# Allegro board TDI_KU5P_QSFP28_CXP_V001-20240805_1841.brd (continued)
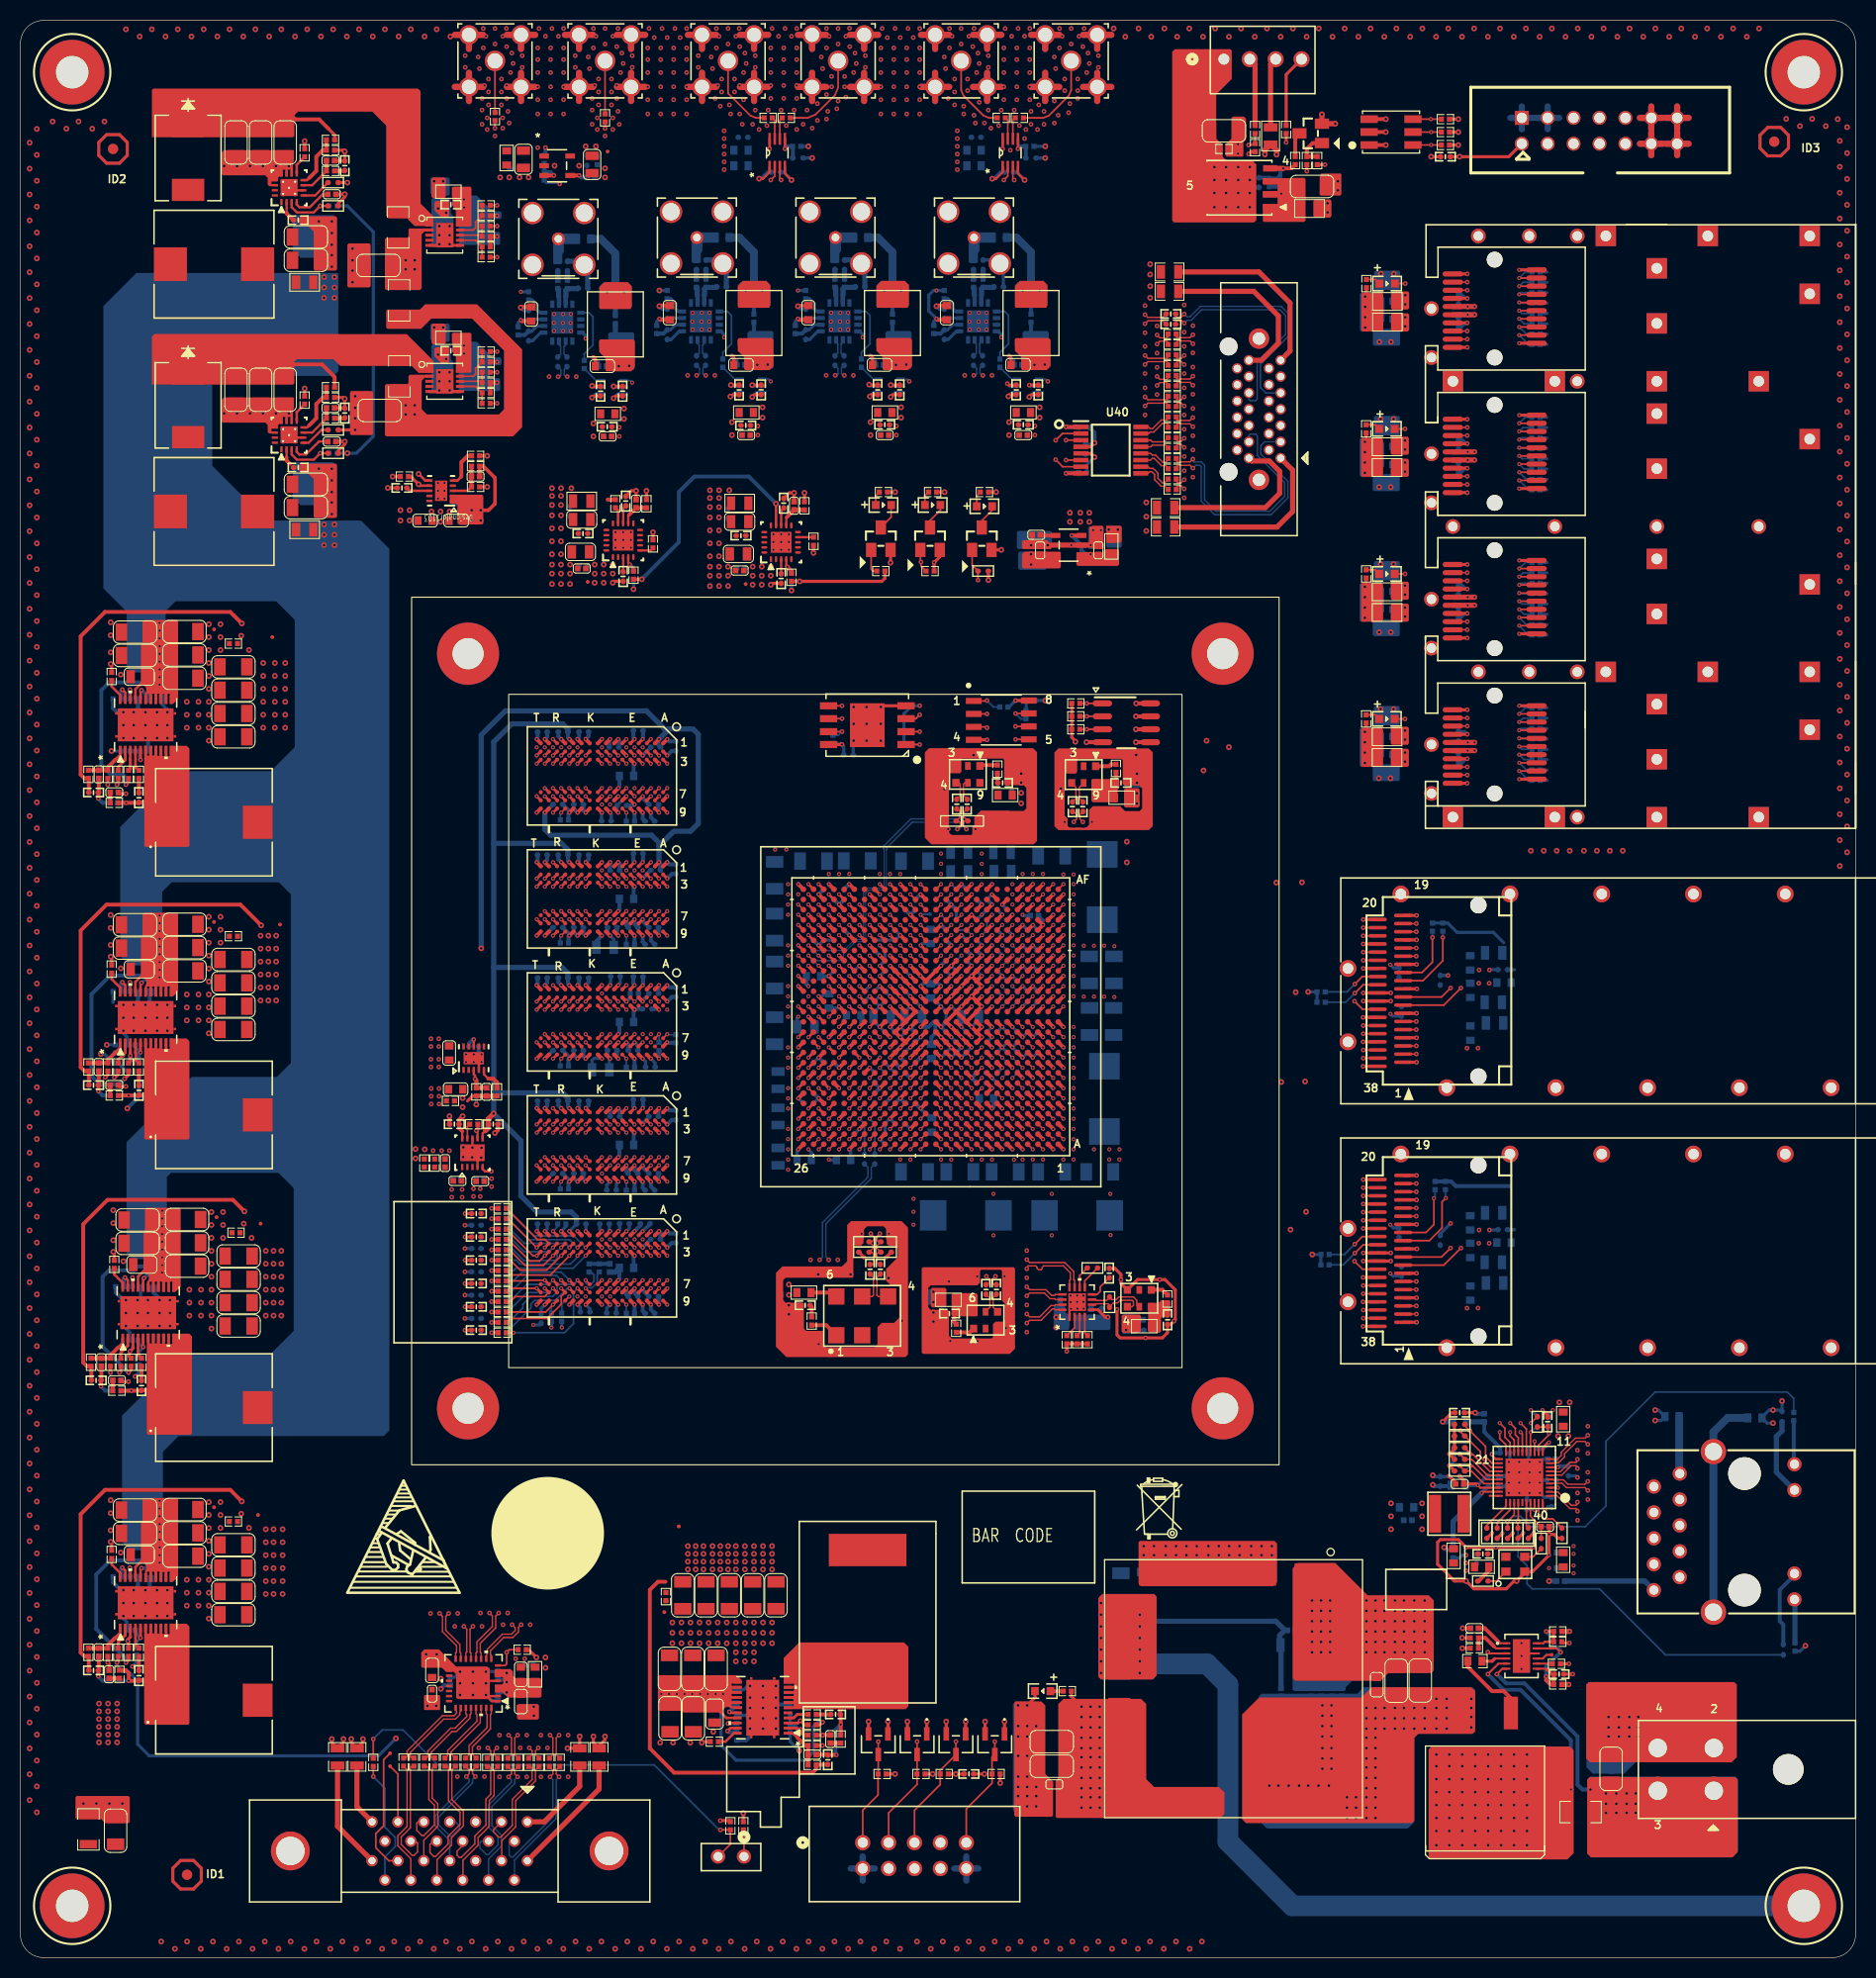
[diagram p0: board, top side]
## Routing (per net, layer and track width the routed paths; a pad name or vN(x,y) marks a point on that pad's centre or on a via; arc(x,y) is an arc through that point) (continued)
GND_EARTH: length 102.6
  BOTTOM w0.508: C460.1 123.64,30.62 R395.1 123.51,30.75 123.51,31.6 124.02,32.11 ; 110.81,32.99 123.13,32.99 124.02,32.11 ; 124.02,32.11 C471.2
  BOTTOM w2.032: MH2.1 124.75,5.08 118.43,11.4 118.43,26.77 116.4,28.8 110.94,28.8
  vias: v3(105.98,34.77) v3(105.98,33.63) v3(105.98,32.49) v3(105.98,31.34) v3(105.98,30.2) v3(105.98,29.06) v3(105.98,27.91) v3(109.79,33.63) v3(109.79,32.49) v3(109.79,31.34) v3(109.79,30.2) v3(109.79,29.06) v3(109.79,27.91)
GND_FPGA_LAN: length 21.6
  BOTTOM w0.762: 166.05,33.88 J12.17 166.05,51.53 167.45,52.93 L34.2
VCC1V5_MGT: length 62.7
  TOP w0.381: v3(21.72,130.85) 20.59,131.98 8.3,131.98 5.91,129.59 5.91,116.03 6.29,115.65 R203.2 6.71,115.61 C354.2
  ART12 w0.381: v3(21.72,130.85) 20.67,131.9 8.4,131.9 7.25,130.76 7.25,120.01 v3(8.93,118.34)
  BOTTOM w0.305: R213.2 v3(8.93,118.34)
  vias: v3(21.66,129.64) v3(22.42,128.24) v3(23.82,126.97) v3(23.82,125.7) v3(23.82,124.43) v3(23.82,123.16) v3(23.82,121.89) v3(23.82,120.62) v3(24.96,126.97) v3(24.96,125.7) v3(24.96,124.43) v3(24.96,123.16) v3(24.96,121.89) v3(24.96,120.62) v3(25.97,126.97) v3(25.97,125.7) v3(25.97,124.43) v3(25.97,123.16) v3(25.97,121.89) v3(25.97,120.62) v3(52.14,144.12) v3(52.14,143.36) v3(52.14,142.47) v3(53.03,144.12) v3(53.03,143.36) v3(53.03,142.47) v3(54.04,144.12) v3(67.63,143.92) v3(67.63,143.15) v3(67.63,142.27) v3(68.52,143.92) v3(68.52,143.15) v3(68.52,142.27) v3(69.54,143.92)
VCC1V8: length 137.2
  TOP w0.254: v3(39.06,145.52) 39.71,144.87 U29.6
  TOP w0.305: C272.1 58.41,153.16 v3(58.19,152.94) ; 90.81,21.95 v3(90.81,23.15) ; 87,21.95 v3(87,23.15) ; C297.1 85.58,153.29 v3(85.36,153.07) ; R19.2 v3(85.79,18.01) ; R35.1 v1(82.74,68.68) ; R175.2 140.66,48.89 v2(140.16,49.39) 140.66,49.89 R177.2 R179.2 R181.2 ; 83.19,21.95 v3(83.19,23.15) ; C271.1 72,153.29 v3(71.77,153.07) ; C8.1 v3(91.76,18.01) R21.2 ; v3(98.95,153.07) 99.17,153.29 C296.1 ; R22.2 v3(96.1,17.12) ; U2.8 v2(80.58,118.98) ; R20.2 v3(89.47,18.01) ; R9.1 v3(94.94,135.1) ; R34.1 v1(84.9,68.68) ; 94.62,21.95 v3(94.62,23.15)
  TOP w0.381: U1.G18 v1(84.29,85.28) ; U1.Y9 v1(94.3,99.28) ; C402.2 6.71,29.51 R240.2 6.29,29.55 5.91,29.93 5.91,43.48 8.3,45.87 20.59,45.87 v3(21.72,44.74) ; U1.D17 v1(85.29,82.28) ; U1.AA11 v1(92.3,100.28) ; U1.C20 v1(82.29,81.27) ; U1.AD12 v1(91.3,103.28)
  ART05 w0.508: v1(75.29,78.28) 75.84,78.28 77.08,77.04 77.08,73.2 81.6,68.68 v1(82.74,68.68) v1(84.9,68.68)
  ART12 w0.381: v3(21.72,44.74) 20.46,46 8.22,46 7.79,45.57 7.79,34.75 11.15,31.38 11.15,28.71 v2(10.99,28.55)
  BOTTOM w0.305: C1.1 83.8,85.77 v1(84.29,85.28) ; U12.6 72.2,153.49 v3(71.77,153.07) ; v1(79.29,78.28) 79.34,78.23 C5.1 ; v2(10.99,28.55) 11.39,28.96 R250.2 ; R14.1 C6.1 ; R42.2 84.81,81.8 v1(85.29,82.28) 85.79,81.78 C24.1 ; v1(94.3,99.28) 93.8,99.78 R4.1 ; R40.2 81.8,80.78 v1(82.29,81.27) ; R221.1 v3(75.63,134.09) ; v3(58.19,152.94) 58.61,153.37 U11.6 ; v3(98.95,153.07) 99.38,153.49 U16.6 ; R2.1 92.79,99.79 v1(92.3,100.28) ; R18.1 80.48,119.08 v2(80.58,118.98) 80.75,118.81 C7.1 ; U15.6 85.79,153.49 v3(85.36,153.07) ; R16.1 R17.1 86.66,122 87.44,122.78 v2(88.2,122.78) ; R12.1 94.8,102.78 v1(94.3,102.28) 93.81,101.79 R3.1 ; C22.1 77.58,78.99 v1(77.29,79.28) ; R214.1 v3(60.14,134.21) ; R166.2 v1(148.15,53.7)
  BOTTOM w0.381: v3(138.53,46.37) 138.66,46.24 C312.1 140.25,46.24 L30.1 ; C23.1 83.8,84.78 v1(84.29,85.28) ; R10.1 90.8,103.78 v1(91.3,103.28) 91.8,102.79 C6.1
  vias: v1(75.29,77.28) v1(94.29,108.27) v1(94.29,107.27) v1(94.29,106.27) v3(21.66,43.54) v3(22.42,42.14) v3(24.07,42.01) v3(24.07,40.74) v3(24.07,39.47) v3(24.07,38.2) v3(24.07,36.93) v3(24.07,35.66) v3(24.83,42.01) v3(24.83,40.74) v3(24.83,39.47) v3(24.83,38.2) v3(24.83,36.93) v3(24.83,35.66) v3(25.72,42.01) v3(25.72,40.74) v3(25.72,39.47) v3(25.72,38.2) v3(25.72,36.93) v3(25.72,35.66) v3(37.28,141.96) v3(37.28,140.94) v3(38.17,141.96) v3(38.17,140.94) v3(102.94,141.71) v3(102.94,140.82) v3(103.95,141.71) v3(103.95,140.82) v3(104.84,141.71) v3(104.84,140.82)
VCC3V3: length 203.8
  TOP w0.229: U41.1 96.34,175.12 95.7,174.47 v3(95.32,174.47) ; U42.1 73.48,175.12 72.84,174.47 v3(72.46,174.47)
  TOP w0.305: v3(50.61,29.44) 49.85,30.2 R367.1 ; U3.8 v2(97.6,123.29) ; v3(131.87,120.22) 131.99,120.35 R142.2 ; v3(103.47,119.25) 103.47,119.33 103.12,119.68 R31.1 R30.1 R29.1 ; U1.Y14 v1(88.29,99.28) ; R27.1 v3(90.64,143.74) ; R220.1 v3(85.79,143.74) ; R143.2 131.99,134.57 v3(131.87,134.44) ; R391.1 120.7,177.12 v2(120.46,176.89) ; R779.1 v3(141.04,177.77) ; U40.4 104.96,148.18 v3(105.35,148.56) ; R780.1 v3(141.04,179.04) ; R781.1 v3(141.04,180.31) ; R184.2 v1(147.39,41.63) ; C19.1 v3(141.16,176.63) 145.99,176.63 J3.1 ; R167.2 v1(144.34,41.63) ; R6.1 v3(95.7,143.74) ; v3(131.87,148.67) 131.99,148.79 R144.2 ; R23.1 v3(70.91,14.17) ; R223.2 v3(76.9,143.66) ; R183.2 v1(145.35,41.63) ; v3(131.89,162.92) 132.02,163.04 R145.2 ; R217.2 v3(61.41,143.87)
  TOP w0.381: U1.E9 v1(94.3,83.28) ; U1.AC15 v1(87.29,102.28) ; v3(21.97,73.19) 20.84,74.32 8.55,74.32 6.16,71.93 6.16,58.37 6.54,57.99 R252.2 6.96,57.96 C417.2 ; U1.E14 v1(88.29,83.28) ; U4.8 v3(109.44,123.01) ; U1.H15 v1(87.29,86.28) ; U1.H10 v1(93.3,86.28)
  ART03 w0.508: v3(175.07,30.58) 160.34,30.58 153.23,37.69 v1(152.34,37.69)
  POWER08 w0.61: J3.1 147.26,179.02 ; J3.1 147.26,176.78 ; J3.1 146.14,177.9 ; J3.1 148.38,177.9 ; 149.8,176.78 J3.3 ; J3.3 148.68,177.9 ; J3.3 150.92,177.9 ; J3.3 149.8,179.02
  ART12 w0.381: v3(21.97,73.19) 20.39,74.78 9.29,74.78 8.14,73.63 8.14,62.97 11.45,59.66 11.45,57.2 v2(11.24,57)
  BOTTOM w0.305: R129.1 149.71,147.02 ; R137.1 149.72,161.26 ; R24.1 96.97,122.66 v2(97.6,123.29) C15.1 98.66,122.33 R25.1 ; R185.1 174.54,30.05 v3(175.07,30.58) ; R116.1 149.72,122.58 ; R136.1 149.72,160.25 ; R120.1 149.72,131.75 ; R126.1 149.71,143.97 ; R114.1 149.72,118.51 ; R135.1 149.72,159.23 ; C9.1 89.21,82.36 v1(88.29,83.28) ; R125.1 149.72,135.81 ; C12.1 88.46,99.45 v1(88.29,99.28) ; R118.1 149.72,129.72 ; v2(11.24,57) 11.65,57.4 R269.2 ; C225.1 146.55,71.39 ; R115.1 149.72,119.53 ; R139.1 149.72,163.3 ; R124.1 149.72,136.83 ; C533.1 73.26,175.11 72.62,174.47 v3(72.46,174.47) ; v3(95.32,174.47) 95.48,174.47 96.12,175.11 C531.1 ; R128.1 149.71,146 ; R132.1 149.71,151.08 ; R134.1 149.72,158.22 ; R138.1 149.72,162.28 ; v3(126.71,68.96) R104.1 R105.1 ; R110.1 149.72,117.5 ; R127.1 149.71,144.98 ; R109.1 R108.1 v3(126.3,94.72) ; 145.48,99.54 144.47,100.56 140.91,100.56 140,101.47 R106.1 R107.1 ; R117.1 149.72,121.56 ; v1(150.31,53.7) 149.93,53.31 R170.2 ; R119.1 149.72,130.73 ; R140.1 149.72,165.33 ; R113.1 149.72,116.48 ; R356.1 v3(100.52,176.5) ; R112.1 149.72,115.47 ; R133.1 149.71,150.06 ; R121.1 149.72,132.76 ; R122.1 149.72,133.78 ; R141.1 149.72,164.31 ; R131.1 149.71,149.05 ; C233.1 146.55,96.89 ; R123.1 149.72,134.8 ; R362.1 v3(77.66,176.5) ; R111.1 149.72,120.55 ; R130.1 149.71,148.03
  BOTTOM w0.381: C17.1 87.8,83.77 v1(88.29,83.28) ; R333.2 105.35,149.58 v3(105.35,148.56) 105.18,148.4 C527.1 ; C16.1 94.06,83.52 v1(94.3,83.28) ; C14.1 87.79,102.78 v1(87.29,102.28) 86.8,102.78 C13.1 ; U1.H15 v1(87.29,86.28) 86.8,86.77 C10.1 ; C20.1 v1(93.3,86.28) 93.8,86.77 C18.1 ; R103.1 R102.1 140.33,76.12 140.78,75.67 146.12,75.67
  vias: v1(152.34,38.46) v2(40.27,90.12) v2(40.27,89.36) v2(41.04,90.12) v2(41.04,89.36) v2(69.03,177.65) v2(69.03,176.89) v2(91.89,177.65) v2(91.89,176.89) v2(141.8,38.71) v2(141.8,37.95) v3(21.91,71.98) v3(22.67,70.59) v3(24.07,69.32) v3(24.07,68.05) v3(24.07,66.78) v3(24.07,65.51) v3(24.07,64.24) v3(24.07,62.97) v3(24.83,69.32) v3(24.83,68.05) v3(24.83,66.78) v3(24.83,65.51) v3(24.83,64.24) v3(24.83,62.97) v3(25.59,69.32) v3(25.59,68.05) v3(25.59,66.78) v3(25.59,65.51) v3(25.59,64.24) v3(25.59,62.97) v3(40.58,174.22) v3(40.58,159.88) v3(41.47,174.22) v3(41.47,159.88) v3(51.5,29.44) v3(51.5,28.42) v3(75.38,66.01) v3(75.38,65) v3(89.55,65.3) v3(89.55,64.29) v3(98.16,114.22) v3(98.16,113.21) v3(101.59,62.81) v3(101.59,61.8) v3(106.75,140.06) v3(107.64,140.06) v3(108.45,62.56) v3(108.45,61.54) v3(109.51,114.2) v3(109.51,113.18) v3(131.89,161.9) v3(131.89,160.88) v3(131.89,159.87) v3(131.87,147.65) v3(131.87,146.63) v3(131.87,145.62) v3(131.87,133.43) v3(131.87,132.41) v3(131.87,131.39) v3(131.87,119.2) v3(131.87,118.19) v3(131.87,117.17) v3(148.15,108.56) v3(149.42,108.56) v3(150.69,108.56) v3(151.96,108.56) v3(153.36,108.56) v3(154.63,108.56) v3(155.9,108.56) v3(157.17,108.56)
VCC5V:
  vias: v2(69.03,176.12) v2(69.03,175.36) v2(91.89,176.12) v2(91.89,175.36) v3(55.44,177.65) v3(56.45,177.65)
VCC12V: length 17.9
  TOP w0.254: U25.19 11.28,95.7 C388.1 ; C403.1 11.28,38.29 U26.19 ; C355.1 11.28,124.4 U22.19 ; U27.19 11.54,66.79 12.72,67.97 C418.1 ; C338.1 68.08,24.67 69.24,23.51 U21.19
  TOP w0.305: R284.1 103.08,25.61 v3(104.08,24.61)
  BOTTOM w0.305: R200.1 75.5,21.18 v3(76.39,20.29)
  vias: v2(13.66,130.91) v2(13.66,130.15) v2(13.66,129.39) v2(13.66,128.63) v2(13.66,127.86) v2(13.66,127.1) v2(13.66,126.34) v2(13.66,125.58) v2(13.65,124.84) v2(13.66,102.21) v2(13.66,101.45) v2(13.66,100.69) v2(13.66,99.92) v2(13.66,99.16) v2(13.66,98.4) v2(13.66,97.64) v2(13.66,96.88) v2(13.65,96.14) v2(13.66,44.81) v2(13.66,44.04) v2(13.66,43.28) v2(13.66,42.52) v2(13.66,41.76) v2(13.66,41) v2(13.66,40.23) v2(13.66,39.47) v2(13.65,38.74) v2(13.91,73.25) v2(13.91,72.49) v2(13.91,71.73) v2(13.91,70.97) v2(13.91,70.21) v2(13.91,69.44) v2(13.91,68.68) v2(13.91,67.92) v2(13.91,67.19) v2(62.85,25.86) v2(63.62,25.86) v2(64.38,25.86) v2(65.14,25.86) v2(65.9,25.86) v2(66.66,25.86) v2(67.43,25.86) v2(68.19,25.86) v2(68.92,25.86) v3(7.71,24.92) v3(7.71,24.16) v3(7.71,23.39) v3(7.71,22.63) v3(7.71,21.87) v3(7.71,21.11) v3(8.6,24.92) v3(8.6,24.16) v3(8.6,23.39) v3(8.6,22.63) v3(8.6,21.87) v3(8.6,21.11) v3(9.49,24.92) v3(9.49,24.16) v3(9.49,23.39) v3(9.49,22.63) v3(9.49,21.87) v3(9.49,21.11) v3(29.78,164.82) v3(29.78,163.8) v3(29.78,162.79) v3(29.78,140.56) v3(29.78,139.55) v3(29.78,138.53) v3(30.8,164.82) v3(30.8,163.8) v3(30.8,162.79) v3(30.8,140.56) v3(30.8,139.55) v3(30.8,138.53) v3(47.06,174.6) v3(47.95,174.6) v3(104.08,23.6) v3(104.08,22.58) v3(104.08,21.56) v3(104.08,20.55) v3(104.08,19.66) v3(104.08,18.64) v3(104.08,17.63) v3(104.08,16.61) v3(104.08,15.72) v3(104.08,14.71) v3(104.97,24.61) v3(104.97,23.6) v3(104.97,22.58) v3(104.97,21.56) v3(104.97,20.55) v3(104.97,19.66) v3(104.97,18.64) v3(104.97,17.63) v3(104.97,16.61) v3(104.97,15.72) v3(104.97,14.71) v3(105.86,24.61) v3(105.86,23.6) v3(105.86,22.58) v3(105.86,21.56) v3(105.86,20.55) v3(105.86,19.66) v3(105.86,18.64) v3(105.86,17.63) v3(105.86,16.61) v3(105.86,15.72) v3(105.86,14.71) v3(128.21,172.06) v3(128.21,171.17)
VCC12V_IN: length 3.5
  TOP w0.203: v2(143.93,29.96) 144.06,29.83 U33.3
  TOP w0.305: R289.2 v3(141.43,30.34) ; R287.2 v2(151.88,28.82)
  vias: v3(122.49,16.87) v3(123.38,16.87) v3(124.4,16.87) v3(125.42,16.87) v3(126.3,16.87) v3(127.32,16.87) v3(127.7,24.74) v3(127.7,23.72) v3(127.7,22.71) v3(127.7,21.69) v3(127.7,20.55) v3(127.7,19.53) v3(127.7,18.52) v3(128.34,16.87) v3(128.59,24.74) v3(128.59,23.72) v3(128.59,22.71) v3(128.59,21.69) v3(128.59,20.55) v3(128.59,19.53) v3(128.59,18.52) v3(130.11,15.72) v3(130.11,14.71) v3(130.11,13.69) v3(131,15.72) v3(131,14.71) v3(131,13.69) v3(132.02,24.49) v3(132.02,23.47) v3(132.02,22.45) v3(132.02,21.56) v3(132.02,20.55) v3(132.02,19.53) v3(132.02,18.64) v3(132.02,17.63) v3(132.02,16.61) v3(132.02,15.72) v3(132.02,14.71) v3(132.02,13.69) v3(132.91,24.49) v3(132.91,23.47) v3(132.91,22.45) v3(132.91,21.56) v3(132.91,20.55) v3(132.91,19.53) v3(132.91,18.64) v3(132.91,17.63) v3(132.91,16.61) v3(132.91,15.72) v3(132.91,14.71) v3(132.91,13.69) v3(133.8,24.49) v3(133.8,23.47) v3(133.8,22.45) v3(134.81,24.49) v3(134.81,23.47) v3(134.81,22.45) v3(135.7,24.49) v3(135.7,23.47) v3(135.7,22.45) v3(136.72,24.49) v3(136.72,23.47) v3(136.72,22.45) v3(137.73,24.49) v3(137.73,23.47) v3(137.73,22.45) v3(138.88,25.37) v3(138.88,24.49) v3(138.88,23.47) v3(138.88,22.45) v3(139.89,25.37) v3(139.89,24.49) v3(139.89,23.47) v3(139.89,22.45) v3(142.31,25.37) v3(142.31,24.49) v3(142.31,23.6) v3(142.31,22.58)
VCC12V_IN_CON: length 19.3
  TOP w0.203: U33.6 145.35,28.33 v2(144.82,27.8)
  TOP w0.508: R290.1 v2(151.96,31.99) ; R288.2 v2(151.88,26.79)
  BOTTOM w0.381: v3(153.99,16.48) 153.2,16.48 152.72,16.97 152.72,21.69 147.51,26.9 145.72,26.9 v2(144.82,27.8)
  vias: v3(155.51,16.1) v3(155.51,15.09) v3(155.51,14.2) v3(156.53,16.1) v3(156.53,15.09) v3(156.53,14.2) v3(157.55,16.1) v3(157.55,15.09) v3(157.55,14.2) v3(158.44,16.1) v3(158.44,15.09) v3(158.44,14.2)
VCC_1V5_EN: length 2.3
  TOP w0.279: U22.2 10.28,117.46 9.59,116.76 R266.1
VCC_1V5_GOOD: length 2.1
  TOP w0.279: U22.3 10.78,117.58
  TOP w0.305: 10.78,117.58 10.78,116.63 R212.2
VCC_1V8_EN: length 2.3
  TOP w0.279: R253.1 9.59,30.94 10.28,31.63 U26.2
VCC_1V8_GOOD: length 67.2
  TOP w0.279: 10.78,31.48 U26.3
  TOP w0.305: 10.78,31.48 10.78,31.44 10.53,31.19 v2(10.53,31.04) 10.61,30.96 R249.2 ; R255.2 9.85,57.51 v2(9.72,57.38)
  ART12 w0.305: v2(10.53,31.04) 6.95,34.62 6.95,45.97 9.72,48.74 v2(9.72,57.38) 9.72,58.27 6.42,61.57 6.42,85.9 8.68,88.16 8.68,89.32 v3(8.47,89.53)
  BOTTOM w0.305: R260.2 v3(8.47,89.53)
VCC_3V3_EN: length 2.3
  TOP w0.279: R255.1 9.85,59.33 10.54,60.03 U27.2
VCC_3V3_GOOD: length 33.1
  TOP w0.279: 11.04,59.92 U27.3
  TOP w0.305: R268.2 10.69,58.97 10.69,59.4 v2(10.75,59.47) 11.04,59.75 11.04,59.92 ; v2(9.21,86.33) 9.29,86.33 9.59,86.64 R261.2
  ART12 w0.381: v2(9.21,86.33) 8.96,86.08 8.96,83.41 7.41,81.86 7.41,62.03 9.97,59.47 v2(10.75,59.47)
  BOTTOM w0.381: v2(9.21,86.33) 9.34,86.46 R265.2
VCCO_GOOD: length 31.9
  TOP w0.305: R266.2 9.59,115.16 v2(9.46,115.04)
  ART12 w0.305: v3(7.89,88.62) 7.74,88.62 7.13,89.23 7.13,110.97 9.46,113.31 v2(9.46,115.04)
  BOTTOM w0.305: R264.1 10.37,86.95 9.57,87.75 R265.1 9.11,87.75 8.24,88.62 v3(7.89,88.62)
VDD10: length 2.5
  TOP w0.305: C322.1 140.4,53.44 v3(139.51,52.55)
  BOTTOM w0.508: L38.1 v3(139.51,52.55)
  vias: v3(137.48,44.55) v3(137.48,43.28) v3(137.48,42.01) v3(150.94,54.46) v3(151.96,54.46)
100M_N: length 3.4
  TOP w0.14: C26.2 83.67,66.7 83.67,64.97 83.54,64.84 U39.5
100M_P: length 3.4
  TOP w0.14: C25.2 84,66.7 84,64.97 84.13,64.84 U39.4
156M25_N: length 5.7
  TOP w0.14: U38.7 105.46,64.54 105.54,64.45 106.53,64.45 106.82,64.74 R330.2 107.08,64.54 107.47,64.54 107.73,64.79 109.18,64.79 109.5,64.47 109.5,64 109.65,63.84 X4.5
156M25_P: length 5.7
  TOP w0.14: 106.82,63.83 106.82,63.98 106.68,64.12 105.49,64.12 105.41,64.04 U38.6 ; 106.82,63.83 107.2,64.21 107.61,64.21 107.86,64.47 109.04,64.47 109.17,64.34 109.17,63.97 109.04,63.84 X4.4 ; 106.82,63.83 R330.1
CHA_1V25_CXP1: length 7.7
  TOP w0.305: C275.2 69.9,153.29 69.72,153.11 v3(69.64,153.11)
  TOP w0.381: C269.2 62.78,160.63 v1(62.67,160.74)
  BOTTOM w0.305: R149.2 v3(62.67,163.51) ; U12.1 70.1,153.49 69.72,153.11 v3(69.64,153.11) ; L19.2 62.42,160.48 v1(62.67,160.74) C274.2 63.5,160.8 U13.15 ; v1(69.02,158.92) 69.02,159.2 68.72,159.5 U13.8
  vias: v3(69.79,150.6) v3(69.79,149.33)
CHA_1V25_CXP2: length 7.7
  TOP w0.305: v3(56.07,153.01) 56.15,153.01 56.31,153.17 C273.2
  TOP w0.381: v1(49.08,160.61) 49.19,160.5 C267.2
  BOTTOM w0.305: L18.2 48.83,160.36 v1(49.08,160.61) C270.2 49.91,160.68 U14.15 ; U11.1 56.43,153.37 v3(56.07,153.01) ; v1(49.08,163.38) 49.08,163.38 R148.2 ; v1(55.43,158.79) 55.43,159.07 55.13,159.38 U14.8
  vias: v3(56.2,150.47) v3(56.2,149.2)
CHA_1V25_CXP3: length 7.5
  TOP w0.305: v3(83.32,153.13) 83.49,153.29 C298.2
  TOP w0.381: C293.2 76.37,160.63 v1(76.26,160.74)
  BOTTOM w0.305: U17.15 77.09,160.8 C299.2 v1(76.26,160.74) 76.01,160.48 L25.2 ; v3(83.32,153.13) 83.69,153.49 U15.1 ; U17.8 82.31,159.5 82.61,159.2 v1(82.61,158.92) ; v1(76.26,163.51) 76.26,163.51 R159.2
  vias: v3(83.38,150.6) v3(83.38,149.33)
CHA_1V25_CXP4: length 11.1
  TOP w0.305: C294.2 97.08,153.29 v3(96.91,153.13)
  TOP w0.381: v1(89.85,160.74) 89.96,160.63 C291.2
  BOTTOM w0.305: U16.1 97.28,153.49 v3(96.91,153.13) ; L24.2 89.59,160.48 v1(89.85,160.74) ; R158.2 89.85,163.51 v1(89.85,163.51) 89.56,163.51 89.09,163.04 89.09,161.49 v1(89.85,160.74) ; v1(89.85,160.74) C295.2 90.68,160.8 U18.15 ; U18.8 95.89,159.5 96.2,159.2 v1(96.2,158.92)
  vias: v3(96.97,150.6) v3(96.97,149.33)
CHA_12V_FAN: length 1.1
  BOTTOM w0.381: C545.1 121.14,173.62 v3(120.59,173.08)
  vias: v3(117.11,175.62) v3(117.11,174.35) v3(117.11,173.08) v3(117.11,171.68) v3(118.25,175.62) v3(118.25,174.35) v3(118.25,173.08) v3(118.25,171.68) v3(119.45,175.62) v3(119.45,174.35) v3(119.45,173.08) v3(119.45,171.68) v3(120.59,175.62) v3(120.59,174.35) v3(120.59,171.68)
CHA_24V_1: length 5.5
  TOP w0.305: 30.24,179.35 30.82,178.77 R295.2
  TOP w0.381: 26.58,180.67 26.96,180.29 29.3,180.29 30.24,179.35
CHA_24V_2: length 5.7
  TOP w0.381: 26.62,156.26 29.58,156.26 30.82,155.02 R310.2
CHA_AGND: length 7.7
  TOP w0.381: U1.P13 v1(90.3,93.28) ; U1.R14 v1(88.29,94.28) ; U1.N13 v1(90.3,91.27)
  BOTTOM w0.305: v1(88.29,94.28) 88.46,94.12 L2.2 89.46,94.12 v1(90.3,93.28) 90.8,92.78 C2.2
  BOTTOM w0.381: C3.2 v1(90.3,91.27) 90.8,91.77 C2.2
CHA_CXP1_TXLF: length 2.1
  BOTTOM w0.17: R155.2 70.08,154.79 U12.3
CHA_CXP1_TXLF_1V8: length 180.2
  TOP w0.17: U1.F20 v1(82.29,84.27)
  ART03 w0.122: v1(73.59,154.6) 73.59,149.07 71.62,147.09 52.77,147.09 37.26,131.58 37.26,64.71 42.68,59.29 65.86,59.29 79.84,73.27 79.84,76.64 81.68,78.49 81.68,83.66 v1(82.29,84.27)
  BOTTOM w0.17: v1(73.59,154.6) 73.4,154.79 U12.4
CHA_CXP2_TXLF: length 2.1
  BOTTOM w0.17: R154.2 56.49,154.67 U11.3
CHA_CXP2_TXLF_1V8: length 167.5
  TOP w0.17: U1.E20 v1(82.29,83.28)
  ART03 w0.122: v1(82.29,83.28) 81.9,82.89 81.9,78.18 80.21,76.49 80.21,73.12 66.02,58.92 42.52,58.92 36.89,64.56 36.89,131.79 52.64,147.55 59.12,147.55 60,148.43 v1(60,154.47)
  BOTTOM w0.17: v1(60,154.47) 59.81,154.67 U11.4
CHA_CXP3_TXLF: length 2.1
  BOTTOM w0.17: U15.3 83.67,154.79 R165.2
CHA_CXP3_TXLF_1V8: length 192.8
  TOP w0.17: U1.G20 v1(82.29,85.28)
  ART03 w0.122: v1(82.29,85.28) 81.85,84.84 81.07,84.84 80.91,84.67 80.91,78.24 79.46,76.8 79.46,73.43 65.7,59.67 42.84,59.67 37.64,64.87 37.64,131.35 52.89,146.6 83.13,146.6 84.65,148.12 84.65,151.36 87.18,153.89 v2(87.18,154.6)
  BOTTOM w0.17: v2(87.18,154.6) 86.99,154.79 U15.4
CHA_CXP4_TXLF: length 2.1
  BOTTOM w0.17: U16.3 97.26,154.79 R164.2
CHA_CXP4_TXLF_1V8: length 204.9
  TOP w0.17: U1.G21 v1(81.29,85.28)
  ART03 w0.122: v2(100.77,154.6) 100.77,149.07 97.98,146.28 53.28,146.28 38.01,131.01 38.01,65.02 42.99,60.05 65.55,60.05 79.09,73.58 79.09,76.95 80.68,78.55 80.68,84.96 81,85.28 v1(81.29,85.28)
  BOTTOM w0.17: U16.4 100.58,154.79 v2(100.77,154.6)
CHA_CXP24V_1_ALERT#: length 101.3
  TOP w0.17: U1.AA14 v1(88.29,100.28) ; R304.2 v2(46.75,166.78)
  ART05 w0.122: v1(88.29,100.28) 88.59,100.28 88.79,100.48 88.79,109.68 87.82,110.64 87.82,114.83 85.19,117.46 85.19,123.58 78.5,130.28 52.83,130.28 49.29,133.81 49.29,147.73 46.04,150.98 46.04,166.07 v2(46.75,166.78)
CHA_CXP24V_1_SCL: length 99.5
  TOP w0.17: U1.AE13 v1(90.3,104.28) ; R300.2 v2(46.75,171.86)
  ART05 w0.122: v2(46.75,171.86) 47.95,170.66 47.95,158.45 49.05,157.34 49.05,151.5 58.61,141.94 61.94,141.94 65.08,138.79 65.08,135.37 68.14,132.31 79.95,132.31 94.73,117.53 94.73,110.62 91.2,107.09 91.2,105.84 90.74,105.38 90.74,104.73 v1(90.3,104.28)
CHA_CXP24V_1_SDA: length 93.3
  TOP w0.17: R302.2 v2(46.75,169.82) ; U1.AF13 v1(90.3,105.28)
  ART05 w0.122: v2(46.75,169.82) 47.44,169.14 47.44,157.94 48.58,156.79 48.58,151.16 58.16,141.58 61.66,141.58 64.71,138.53 64.71,135.1 67.93,131.89 79.61,131.89 87.19,124.31 87.19,118.34 89.55,115.98 89.55,111.15 90.83,109.87 90.83,106.11 90.3,105.58 v1(90.3,105.28)
CHA_CXP24V_2_ALERT#: length 88.5
  TOP w0.17: R317.2 v2(46.75,152.44) ; U1.Y15 v1(87.29,99.28)
  ART05 w0.122: v2(46.75,152.44) 46.75,151.03 49.9,147.88 49.9,134.06 53.3,130.66 78.81,130.66 85.66,123.8 85.66,117.7 88.2,115.16 88.2,110.79 89.17,109.83 89.17,99.99 88.97,99.8 87.82,99.8 87.31,99.28 v1(87.29,99.28)
CHA_CXP24V_2_SCL: length 94.5
  TOP w0.17: U1.W14 v1(88.29,98.28) ; R314.2 v2(46.75,157.52)
  ART05 w0.122: v2(46.75,157.52) 48.07,156.2 48.07,150.85 50.81,148.11 50.81,134.65 54.04,131.42 79.31,131.42 86.68,124.05 86.68,118.08 89.07,115.7 89.07,111.12 90.11,110.08 90.11,108.92 89.87,108.67 89.87,99.17 88.97,98.28 v1(88.29,98.28)
CHA_CXP24V_2_SDA: length 92.7
  TOP w0.17: U1.W15 v1(87.29,98.28) ; R316.2 v2(46.75,155.49)
  ART05 w0.122: v1(87.29,98.28) 87.32,98.28 87.82,98.78 88.84,98.78 89.55,99.49 89.55,110.03 88.66,110.92 88.66,115.37 86.12,117.91 86.12,123.98 79.06,131.04 53.67,131.04 50.34,134.37 50.34,147.95 47.69,150.6 47.69,154.55 v2(46.75,155.49)
CHA_CXP_1V25: length 7.9
  TOP w0.305: R270.1 v3(45.79,147.29)
  TOP w0.356: v3(45.15,141.96) 45.91,141.96 46.55,142.6 46.55,145.14 45.41,146.28 R272.1
  TOP w0.381: R272.1 C432.2
  vias: v3(44.26,141.96) v3(44.26,140.94) v3(45.15,140.94) v3(59.2,151.93) v3(59.2,150.91) v3(72.79,152.05) v3(72.79,151.04) v3(86.38,152.05) v3(86.38,151.04) v3(99.97,152.05) v3(99.97,151.04)
CHA_CXP_1V25_EN: length 151.3
  TOP w0.17: U1.H19 v1(83.29,86.28)
  TOP w0.254: U29.7 39.19,144.37
  TOP w0.305: 39.19,144.37 v3(39.06,144.5) 38.29,145.26 R278.2
  ART03 w0.122: v3(39.06,144.5) 39.16,144.4 39.16,139.93 36.51,137.28 36.51,64.4 42.37,58.54 66.17,58.54 80.59,72.96 80.59,76.33 82.68,78.42 82.68,85.66 v1(83.29,86.28)
CHA_CXP_24V_1: length 4.5
  BOTTOM w0.305: C268.2 v3(72.28,156.21) ; C266.2 v3(58.69,156.09)
  BOTTOM w0.381: R147.2 71.94,159.32
  BOTTOM w0.508: R146.2 58.35,159.19
  vias: v3(37.79,166.47) v3(37.79,165.58) v3(38.67,166.47) v3(38.67,165.58) v3(59.71,156.12) v3(73.3,156.24)
CHA_CXP_24V_2: length 4.5
  BOTTOM w0.305: C292.2 v3(85.87,156.21) ; C290.2 v3(99.46,156.21)
  BOTTOM w0.381: R157.2 85.53,159.32 ; R156.2 99.12,159.32
  vias: v3(37.79,152.25) v3(37.79,151.36) v3(38.67,152.25) v3(38.67,151.36) v3(86.89,156.24) v3(100.48,156.24)
CHA_CXP_24V_PWREN: length 180.4
  TOP w0.17: U1.F19 v1(83.29,84.27)
  ART03 w0.122: v3(32.07,147.55) 32.07,146.15 36.13,142.09 36.13,64.24 42.21,58.17 66.33,58.17 80.97,72.8 80.97,76.17 82.91,78.12 82.91,83.89 v1(83.29,84.27)
  BOTTOM w0.305: R298.2 32.07,171.81 34.61,169.27 34.61,149.2 32.96,147.55 v3(32.07,147.55) R315.2
CHA_DDR4_2V5: length 96.9
  TOP w0.229: U10.10 43.34,81.05 ; v2(44.72,81.1) 44.84,80.98 U10.7
  TOP w0.305: v2(44.72,81.1) 44.87,81.25 R87.1 ; 43.86,84.02 44.34,84.51 R274.1
  TOP w0.381: R271.1 C437.2 R274.1 ; U8.R9 v1(51.44,88.17) ; v3(43.37,82.52) 43.03,82.18 C207.2 43.03,81.36 43.34,81.05 ; U7.R9 v1(51.44,76.1) ; U5.B1 v1(62.64,107.44) ; U9.B1 v1(62.64,71.24) ; U6.R9 v1(51.44,112.3) ; U8.B1 v1(62.64,95.37) ; U5.R9 v1(51.44,100.23) ; U6.B1 v1(62.64,119.5) ; U7.B1 v1(62.64,83.31) ; U9.R9 v1(51.44,64.04)
  BOTTOM w0.305: C174.1 52.25,76.91 v1(51.44,76.1) ; C220.1 51.07,63.67 v1(51.44,64.04)
  BOTTOM w0.381: C173.1 62.59,83.26 v1(62.64,83.31) ; v1(51.44,88.17) 52.25,88.98 C176.1 ; C175.1 62.59,95.32 v1(62.64,95.37) ; v1(62.64,107.44) 62.77,107.31 C133.1 ; C219.1 62.77,71.11 v1(62.64,71.24) ; v1(62.64,119.5) 62.59,119.45 62.59,118.9 C159.1 ; v1(51.44,100.23) 52.25,101.04 C134.1 ; v1(51.44,112.3) 52.25,113.11 C160.1
  BOTTOM w0.508: v1(62.64,107.44) 62.64,109.03 ; 62.64,109.03 64.07,110.46 65.73,110.46 66.49,111.23 66.49,119.99 65.98,120.5 63.63,120.5 ; 62.64,109.03 62.64,109.36 61.92,110.08 52.01,110.08 51.44,110.65 v1(51.44,112.3) ; 63.63,120.5 v1(62.64,119.5) ; 63.63,120.5 63.19,120.5 61.41,122.28 47.56,122.28 45.2,119.91 v3(45.2,98.98)
  vias: v3(43.37,84.3) v3(43.37,83.41)
CHA_DDR4_C1_VREF: length 94.7
  TOP w0.229: 45.61,81.1 45.34,80.83 U10.6
  TOP w0.381: U6.M1 v1(53.84,119.5) ; U5.M1 v1(53.84,107.44) ; U7.M1 v1(53.84,83.31) ; U9.M1 v1(53.84,71.24) ; U8.M1 v1(53.84,95.37)
  TOP w0.508: 45.61,81.1 45.9,81.39 C221.1 45.9,82.26 v3(46.42,82.78)
  BOTTOM w0.305: v1(53.84,71.24) 54.54,71.94 C222.1
  BOTTOM w0.381: C147.1 53.7,107.58 v1(53.84,107.44) ; C161.1 53.7,119.64 v1(53.84,119.5) ; v1(53.84,83.31) 53.7,83.45 C177.1 ; C178.1 53.7,95.51 v1(53.84,95.37)
  BOTTOM w0.508: 46.42,109.3 53.05,109.3 53.7,108.65 C147.1 ; 46.42,109.3 46.42,119.23 48.2,121.01 53.19,121.01 53.7,120.5 C161.1 ; 46.42,109.3 46.42,97.1 ; 46.42,97.1 53.16,97.1 53.7,96.56 C178.1 ; 46.42,97.1 46.42,84.81 ; 46.42,84.81 53.19,84.81 53.7,84.3 C177.1 ; 46.42,84.81 v3(46.42,82.78) 49.09,80.11 49.09,74.7 50.66,73.13 54.03,73.13 54.54,72.62 C222.1
CHA_DDR4_C1_VTT: length 36.8
  TOP w0.229: v2(46.19,77.11) 45.57,77.11 45.34,77.34 U10.5
  TOP w0.305: R99.2 v2(46.22,71.45) ; R78.2 v2(46.22,73.48) ; R77.2 v2(46.22,64.34) ; R83.2 v2(46.22,65.35) ; R79.2 v2(46.22,66.37) ; R74.2 v2(46.22,68.4) ; R81.2 v2(46.22,72.47) ; R67.1 v2(46.22,63.32) ; R90.2 v2(46.22,61.29) ; R80.2 v2(46.22,67.39) ; R70.2 v2(46.22,69.42) ; R72.2 v2(46.22,70.43) ; R85.2 v2(46.22,62.31)
  ART03 w0.381: v2(46.22,61.29) 48.71,63.78 48.71,76.43 48.02,77.11 v2(46.19,77.11)
  BOTTOM w0.305: R67.1 v2(46.22,63.32) ; R79.2 v2(46.22,66.37) ; R80.2 v2(46.22,67.39) ; R77.2 v2(46.22,64.34) ; R85.2 v2(46.22,62.31) ; R72.2 v2(46.22,70.43) ; R70.2 v2(46.22,69.42) ; R78.2 v2(46.22,73.48) ; R74.2 v2(46.22,68.4) ; R83.2 v2(46.22,65.35) ; R81.2 v2(46.22,72.47) ; R90.2 v2(46.22,61.29) ; R99.2 v2(46.22,71.45)
  vias: v2(44.44,75.41) v2(44.44,74.65) v2(45.1,75.41) v2(45.1,74.65)
CHA_DDR4_CLK1_N_200M: length 30.2
  TOP w0.14: v2(92.78,110.68) 92.49,110.97 92.49,111.38 92.6,111.48 R52.2 92.53,111.88 92.53,112.34 C40.2
  TOP w0.17: U1.W24 v1(78.29,98.28)
  BOTTOM w0.102: R50.1 80.75,98.78 81.82,99.85 82.54,99.85 82.69,100 82.69,104.5 83.1,104.9 84.55,104.9 84.72,105.08 84.72,108.67 84.66,108.73 84.66,108.82